# Altium PCB AMC_Single_Panel.PcbDoc (part 4 of 5)
Units mm, origin at the board's own origin, x right, y up, seen from the top; angles counter-clockwise.
Board outline 67.1 x 200.1 mm, 4 copper layers (TOP, GND, PWR, BTM), stack 1.618 mm thick; 416 components, 275 nets, 1519 pads, 733 vias.
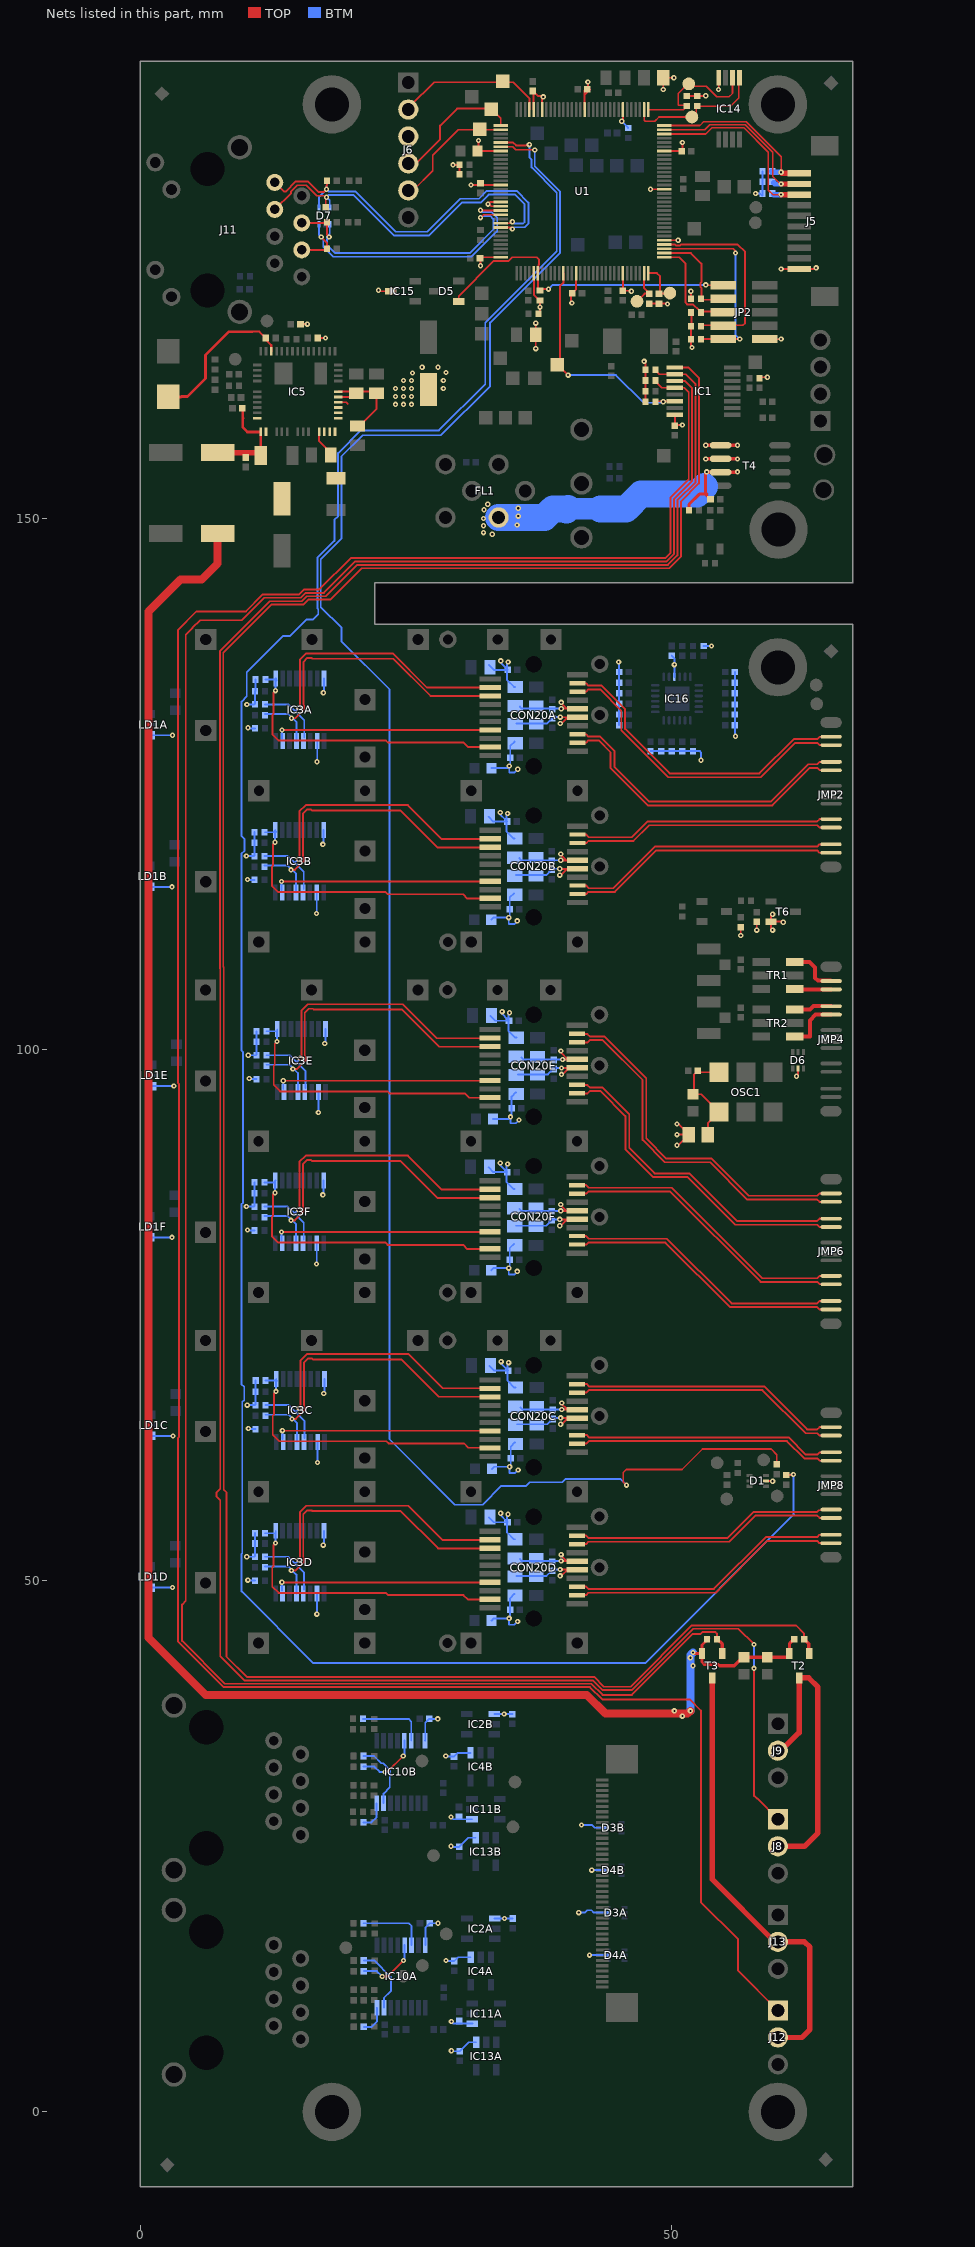
[diagram p6: the nets of this part, all layers, seen from the top]

## Via types
v1: diameter 0.5, hole 0.2, TOP to BTM, tented both sides, 677 vias
v2: diameter 0.5, hole 0.2, TOP to BTM, 44 vias
v3: diameter 0.5, hole 0.3, TOP to BTM, tented both sides, 5 vias
v4: diameter 0.66, hole 0.33, TOP to BTM, tented both sides, 4 vias
v5: diameter 0.51, hole 0.3, TOP to BTM, 3 vias

## Nets (pads, with @x,y where several pads share a name; then routed paths per layer and width w, separated by ;. In a path a pad name is that pad's centre, name@x,y a point inside that pad or via, vN(x,y) a via of type N, cw(c..) or ccw(c..) an arc to the next point about the centre after c; other vN are vias at no path point) (continued)
P3V3: C6A.2 C6B.2 C7A.2 C7B.2 C8A.2 C8B.2 C9A.2 C9B.2 C10.2 C11.1 C17.2 C25.2 C27.2 C28.2 C29.2 C42.2 C43.1 C44.2 C47A.1 C47B.1 C47C.1 C47D.1 C47E.1 C47F.1 C48A.2 C48B.2 C48C.2 C48D.2 C48E.2 C48F.2 C49A.1 C49B.1 C49C.1 C49D.1 C49E.1 C49F.1 C50A.1 C50B.1 C50C.1 C50D.1 C50E.1 C50F.1 C53.2 C54.2 C55.2 C56.2 C57.2 C67A.2 C67B.2 C69.2 C113.2 C175.2 D1.5 D3A.5 D3B.5 D4A.5 D4B.5 D6.5 FB2.1 FB4.1 FB5A.1 FB5B.1 FB5C.1 FB5D.1 FB5E.1 FB5F.1 FB6A.1 FB6B.1 FB6C.1 FB6D.1 FB6E.1 FB6F.1 IC1.8 IC2A.1 IC2B.1 IC3A.2 IC3A.16 IC3B.2 IC3B.16 IC3C.2 IC3C.16 IC3D.2 IC3D.16 IC3E.2 IC3E.16 IC3F.2 IC3F.16 IC4A.1 IC4B.1 IC5.12 IC5.13 IC5.14 IC5.15 IC5.16 IC5.17 IC5.18 IC5.19 IC5.20 IC5.21 IC10A.16 IC10B.16 IC11A.1 IC11B.1 IC13A.1 IC13B.1 IC14.8 IC15.3 IC16.21 J5.1 J6.3 JP2.1 LD1A.2 LD1B.2 LD1C.2 LD1D.2 LD1E.2 LD1F.2 R32.2 R35.2 R46.2 R47.2 R50.2 R51A.2 R51B.2 R51C.2 R51D.2 R51E.2 R51F.2 R53.2 R58.2 R59.2 R60.2 R63.1 R64.1 R65.1 R66.1 R67.1 R68.1 R69.1 R70.1 R72.1 R89A.2 R89B.2 R89C.2 R89D.2 R89E.2 R89F.2 R90A.2 R90B.2 R90C.2 R90D.2 R90E.2 R90F.2 R91A.2 R91B.2 R91C.2 R91D.2 R91E.2 R91F.2 R147.2 R148.2 R152.1 R153.1 R154.1 R184.2 R185.2 R186.2 R187.2 R188.2 R189.2 R190.2 R191.2 R196.1 R197.2 R198.2 R199.2 R200.2 R201.2 R202.2 R203.2 R204.2 R205.2 T6.2 U1.7 U1.16 U1.26 U1.28 U1.39 U1.47 U1.51 U1.52 U1.64 U1.69 U1.79 U1.90 U1.101 U1.113 U1.122 | length 266.1
  TOP w0.178: C17.2@15.05,168.3 v1(15.7,168.3) ; R35.2@16.67,167 v1(17.4,167) ; IC5.12@16.8,158.15 16.8,157.3 17.9,156.2 C10.2@18.1,156.2 ; IC5.19@18.6,160.95 19.35,160.95 19.5,160.8 ; IC5.20@18.6,161.45 19.95,161.45 C27.2@20,161.5 ; IC5.21@18.6,161.95 21.75,161.95 22.2,161.5 22.2,160.3 C56.2@20.9,159 ; v1(22.4,171.5) 22.5,171.4 IC15.3@23.55,171.4 ; v1(29.4,183.3) R59.2@30.03,183.3 ; R60.2@30.03,182.4 R59.2@30.03,183.3 ; R59.2@30.03,183.33 R59.2@30.03,183.3 ; v1(31.1,181.4) U1.47@33.9,181.4 ; v1(31.8,185.6) 31.8,184.6 U1.39@33.9,184.6 ; v1(32,173.8) 32,174.4 32.2,174.6 U1.64@33.9,174.6 ; v1(32.7,179.6) 32.9,179.8 U1.51@33.9,179.8 ; v1@32.8,179.6 33,179.4 U1.52@33.9,179.4 ; U1.69@37,173.1 37,172.992 37.03,172.962 37.03,171.07 R72.1@37.5,170.6 ; U1.28@37,188.5 37,190.2 37.4,189.8 v1@37.9,189.8 ; v1(37.2,166) C43.1@37.2,167.3 v1(37.2,168.4) ; R66.1@37.5,169.2 37.6,169.3 v1(37.6,169.9) R72.1@37.6,170.53 ; U1.26@37.8,188.5 37.8,189.6 v1(37.9,189.7) ; v1(40.6,170.3) 40.5,170.4 40.5,171.1 41,171.6 U1.79@41,173.1 ; U1.16@41.8,188.5 41.8,189.9 ; C25.2@42,190.5 41.8,190.3 41.8,189.9 ; v1(42.1,191.1) 42.1,190.6 42.3,190.4 41.8,189.9 ; v1(45.3,187.4) 45.4,187.5 U1.7@45.4,188.5 ; C55.2@45.4,171.45 46.15,171.45 v1(46.2,171.4) ; U1.90@45.4,173.1 45.4,171.6 C55.2@45.5,171.5 ; v1(47.4,164.8) 47.53,164.67 R147.2@47.53,164 R148.2@47.53,163 R154.1@47.53,162 R152.1@47.53,161 ; R58.2@47.9,170.23 R50.2@48.8,170.23 49.57,170.23 v1(49.6,170.2) ; v1(48,181) U1.113@49.3,181 ; v1(49.2,190.4) FB4.1@49.2,191.5 v1(50.2,191.5) ; U1.101@49.3,176.2 v1(50.6,176.2) ; U1.122@49.3,184.6 50.9,184.6 51,184.7 v1(51,185.4) ; IC1.8@50.3,159.778 50.3,158.9 50.4,158.8 v1(51,158.8) ; v1(50.5,91) 50.6,91 FB2.1@51.6,92 ; v1(50.5,92) FB2.1@51.6,92 ; v1(50.5,93) 50.5,93.1 FB2.1@51.6,92 ; R47.2@51.4,189.77 R46.2@52.4,189.77 53.17,189.77 v1(53.2,189.8) ; v1(51.8,171.4) 51.83,171.37 R70.1@51.83,170.7 ; R69.1@51.83,169.4 51.875,169.355 51.875,168.145 R68.1@51.83,168.1 R67.1@51.83,166.9 51.83,166.17 v1(51.9,166.1) ; v1(54.4,190.4) 54.425,190.425 IC14.8@54.425,191.5 ; v1(56.5,110.75) R53.2@56.5,111.53 ; v1(58,111.25) C29.2@58,112.05 ; R153.1@58.27,163.2 58.37,163.3 v1(59,163.3) ; JP2.1@58.75,166.885 60.385,166.885 60.37,166.9 v1(60.3,166.9) ; D1.5@58.89,59.4 59.35,59.4 59.5,59.25 v1(59.5,59.365) ; v1(59.5,111.25) 59.35,111.4 T6.2@59.35,112.05 ; v1(59.5,112.75) 59.35,112.6 T6.2@59.35,112.05 ; v1(60.3,173.5) J5.1@62,173.5 63.5,173.5 v1(63.6,173.6) ; v1(60.5,112) 60.45,112.05 T6.2@59.35,112.05 ; v1(61.75,97.5) 61.9,97.65 D6.5@61.9,98.21
  BTM w0.178: LD1F.2@0.955,82.326 v1(2.955,82.326) ; LD1B.2@0.955,115.326 v1(2.955,115.326) ; LD1D.2@0.992,49.356 v1(2.992,49.356) ; LD1A.2@1,129.6 v1(3,129.6) ; LD1C.2@1.043,63.63 v1(3.043,63.63) ; LD1E.2@1.13,96.576 v1(3.13,96.576) ; v1(9.955,85.226) 10.655,85.226 10.735,85.306 R91F.2@10.735,86.476 ; v1(9.955,118.226) 10.655,118.226 10.735,118.306 R91B.2@10.735,119.476 ; v1(9.992,52.256) 10.692,52.256 10.772,52.336 R91D.2@10.772,53.506 ; v1(10,132.5) 10.7,132.5 10.78,132.58 R91A.2@10.78,133.75 ; v1(10.043,66.53) 10.743,66.53 10.823,66.61 R91C.2@10.823,67.78 ; v1(10.055,83.026) 10.105,82.976 R90F.2@10.735,82.976 ; v1(10.055,116.026) 10.105,115.976 R90B.2@10.735,115.976 ; v1(10.092,50.056) 10.142,50.006 R90D.2@10.772,50.006 ; v1(10.1,130.3) 10.15,130.25 R90A.2@10.78,130.25 ; v1(10.13,99.476) 10.83,99.476 10.91,99.556 R91E.2@10.91,100.726 ; v1(10.143,64.33) 10.193,64.28 R90C.2@10.823,64.28 ; v1(10.23,97.276) 10.28,97.226 R90E.2@10.91,97.226 ; v1(16.555,79.826) 16.58,79.851 IC3F.2@16.58,81.776 ; v1(16.555,112.826) 16.58,112.851 IC3B.2@16.58,114.776 ; v1(16.592,46.856) 16.617,46.881 IC3D.2@16.617,48.806 ; v1(16.6,127.1) 16.625,127.125 IC3A.2@16.625,129.05 ; v1(16.643,61.13) 16.668,61.155 IC3C.2@16.668,63.08 ; v1(16.73,94.076) 16.755,94.101 IC3E.2@16.755,96.026 ; v1(17.155,86.326) 17.23,86.401 IC3F.16@17.23,87.676 ; v1(17.155,119.326) 17.23,119.401 IC3B.16@17.23,120.676 ; v1(17.192,53.356) 17.267,53.431 IC3D.16@17.267,54.706 ; v1(17.2,133.6) 17.275,133.675 IC3A.16@17.275,134.95 ; v1(17.243,67.63) 17.318,67.705 IC3C.16@17.318,68.98 ; v1(17.33,100.576) 17.405,100.651 IC3E.16@17.405,101.926 ; IC10B.16@26.775,34.95 26.8,34.975 26.8,36.63 C67B.2@27.17,37 v1(27.97,37) ; IC10A.16@26.805,15.7 26.83,15.725 26.83,17.38 C67A.2@27.2,17.75 v1(28,17.75) ; v1(28.72,33.5) 28.77,33.45 C9B.2@29.5,33.45 29.85,33.8 IC4B.1@31.05,33.8 ; v1(28.75,14.25) 28.8,14.2 C9A.2@29.53,14.2 29.88,14.55 IC4A.1@31.08,14.55 ; v1(29.22,25) 29.27,24.95 C7B.2@30,24.95 30.85,25.8 IC13B.1@31.55,25.8 ; v1(29.22,27.75) 29.42,27.55 IC11B.1@31.2,27.55 ; v1(29.25,5.75) 29.3,5.7 C7A.2@30.03,5.7 30.88,6.55 IC13A.1@31.58,6.55 ; v1(29.25,8.5) 29.45,8.3 IC11A.1@31.23,8.3 ; C47F.1@32.755,88.926 33.205,88.476 C50F.1@34.455,88.476 ; C47B.1@32.755,121.926 33.205,121.476 C50B.1@34.455,121.476 ; C47D.1@32.792,55.956 33.242,55.506 C50D.1@34.492,55.506 ; C47A.1@32.8,136.2 33.25,135.75 C50A.1@34.5,135.75 ; C47C.1@32.843,70.23 33.293,69.78 C50C.1@34.543,69.78 ; C47E.1@32.93,103.176 33.38,102.726 C50E.1@34.63,102.726 ; C48F.2@33.005,79.226 33.205,79.426 v1(34.655,79.426) ; C48B.2@33.005,112.226 33.205,112.426 v1(34.655,112.426) ; C48D.2@33.042,46.256 33.242,46.456 v1(34.692,46.456) ; C48A.2@33.05,126.5 34.5,126.5 v1(34.7,126.7) ; C48C.2@33.093,60.53 33.293,60.73 v1(34.743,60.73) ; C48E.2@33.18,93.476 34.63,93.476 v1(34.83,93.676) ; IC2B.1@33.3,37.45 v1(34.22,37.45) C6B.2@35,37.45 ; IC2A.1@33.33,18.2 v1(34.25,18.2) C6A.2@35.03,18.2 ; v1(33.855,89.326) 33.755,89.326 33.755,89.226 C50F.1@34.455,88.526 ; v1(33.855,122.326) 33.755,122.326 33.755,122.226 C50B.1@34.455,121.526 ; v1(33.892,56.356) 33.792,56.356 33.792,56.256 C50D.1@34.492,55.556 ; v1(33.9,136.6) 33.8,136.6 33.8,136.5 C50A.1@34.5,135.8 ; v1(33.943,70.63) 33.843,70.63 33.843,70.53 C50C.1@34.543,69.83 ; v1(34.03,103.576) 33.93,103.576 33.93,103.476 C50E.1@34.63,102.776 ; v1(34.555,89.226) 34.455,89.126 C50F.1@34.455,88.526 ; v1(34.555,122.226) 34.455,122.126 C50B.1@34.455,121.526 ; v1(34.592,56.256) 34.492,56.156 C50D.1@34.492,55.556 ; v1(34.6,136.5) 34.5,136.4 C50A.1@34.5,135.8 ; v1(34.643,70.53) 34.543,70.43 C50C.1@34.543,69.83 ; v1(34.73,103.476) 34.63,103.376 C50E.1@34.63,102.776 ; FB5F.1@35.155,81.726 34.755,81.326 C49F.1@34.755,80.226 34.755,79.526 v1(34.655,79.426) ; FB5B.1@35.155,114.726 34.755,114.326 C49B.1@34.755,113.226 34.755,112.526 v1(34.655,112.426) ; FB5D.1@35.192,48.756 34.792,48.356 C49D.1@34.792,47.256 34.792,46.556 v1(34.692,46.456) ; FB5A.1@35.2,129 34.8,128.6 C49A.1@34.8,127.5 34.8,126.8 v1(34.7,126.7) ; FB6F.1@35.205,86.876 35.105,86.876 34.455,87.526 C50F.1@34.455,88.476 ; FB6B.1@35.205,119.876 35.105,119.876 34.455,120.526 C50B.1@34.455,121.476 ; FB6D.1@35.242,53.906 35.142,53.906 34.492,54.556 C50D.1@34.492,55.506 ; FB5C.1@35.243,63.03 34.843,62.63 C49C.1@34.843,61.53 34.843,60.83 v1(34.743,60.73) ; FB6A.1@35.25,134.15 35.15,134.15 34.5,134.8 C50A.1@34.5,135.75 ; FB6C.1@35.293,68.18 35.193,68.18 34.543,68.83 C50C.1@34.543,69.78 ; FB5E.1@35.33,95.976 34.93,95.576 C49E.1@34.93,94.476 34.93,93.776 v1(34.83,93.676) ; FB6E.1@35.38,101.126 35.28,101.126 34.63,101.776 C50E.1@34.63,102.726 ; v1(35.455,79.126) 35.155,78.826 34.655,78.826 v1(34.655,79.426) ; v1(35.455,112.126) 35.155,111.826 34.655,111.826 v1(34.655,112.426) ; v1(35.492,46.156) 35.192,45.856 34.692,45.856 v1(34.692,46.456) ; v1(35.5,126.4) 35.2,126.1 34.7,126.1 v1(34.7,126.7) ; v1(35.543,60.43) 35.243,60.13 34.743,60.13 v1(34.743,60.73) ; v1(35.63,93.376) 35.33,93.076 34.83,93.076 v1(34.83,93.676) ; v1(41.25,18.75) 41.828,18.75 42.053,18.975 42.447,18.975 42.672,18.75 D3A.5@43.96,18.75 ; v1(41.5,27) 42.5,27 42.75,26.75 D3B.5@43.71,26.75 ; v1(42.25,14.75) D4A.5@43.96,14.75 ; v1(42.475,22.75) D4B.5@43.71,22.75 ; v1(45,136.5) 45.05,136.45 R196.1@45.05,135.55 R205.2@45.05,134.55 R204.2@45.05,133.55 R203.2@45.05,132.55 R202.2@45.05,131.55 R201.2@45.05,130.55 ; v1(45.3,187.4) 45.9,186.8 R32.2@45.9,186.77 ; R200.2@48,128.1 R199.2@49,128.1 R198.2@50,128.1 R191.2@51,128.1 R190.2@52,128.1 52.65,128.1 52.75,128 v1(52.75,127.25) ; C175.2@50,137.1 50.25,136.85 v1(50.25,136.25) IC16.21@50.25,135.1 ; R197.2@53,138 v1(53.75,138) ; R184.2@55.95,135.55 R185.2@55.95,134.55 R186.2@55.95,133.55 R187.2@55.95,132.5 R188.2@55.95,131.55 R189.2@55.95,130.55 55.95,129.55 v1(56,129.5) ; v1(57.9,180.6) 58.3,180.6 58.5,180.4 58.53,180.43 R65.1@58.53,180.6 R64.1@58.53,181.7 R63.1@58.53,182.7 ; C50F.1@34.455,88.476 C50F.1@34.455,88.526 ; C50F.1@34.455,88.476 C50F.1@34.505,88.476 C50F.1@34.455,88.526 ; C50B.1@34.455,121.476 C50B.1@34.455,121.526 ; C50B.1@34.455,121.476 C50B.1@34.505,121.476 C50B.1@34.455,121.526 ; C50D.1@34.492,55.506 C50D.1@34.492,55.556 ; C50D.1@34.492,55.506 C50D.1@34.542,55.506 C50D.1@34.492,55.556 ; C50A.1@34.5,135.75 C50A.1@34.55,135.75 C50A.1@34.5,135.8 ; C50A.1@34.5,135.75 C50A.1@34.5,135.8 ; C50C.1@34.543,69.78 C50C.1@34.543,69.83 ; C50C.1@34.543,69.78 C50C.1@34.593,69.78 C50C.1@34.543,69.83 ; C50E.1@34.63,102.726 C50E.1@34.63,102.776 ; C50E.1@34.63,102.726 C50E.1@34.68,102.726 C50E.1@34.63,102.776
  BTM w0.2: R51F.2@10.73,87.5 10.735,87.495 R91F.2@10.735,86.476 ; R51B.2@10.73,120.475 10.73,119.481 R91B.2@10.735,119.476 ; R51D.2@10.755,54.475 10.755,53.522 R91D.2@10.772,53.506 ; R91A.2@10.78,133.75 10.805,133.775 R51A.2@10.805,134.85 ; R91C.2@10.823,67.78 10.83,67.788 R51C.2@10.83,68.85 ; R51E.2@10.905,101.725 10.905,100.731 R91E.2@10.91,100.726
  other v1: 24,160.75 24.75,160.75 25.5,160.75 24,161.5 24.75,161.5 25.5,161.5 24,162.25 24.75,162.25 25.5,162.25 28.5,162.25 24.75,163 25.5,163 28.5,163 25.6,163.7 28.75,163.75 26.5,164.25 28,164.25
P3V3_CLEAN: C3.2 C4.2 FB2.2 OSC1.1 OSC1.6 | length 10.1
  TOP w0.178: FB2.2@53.4,92 53.4,93.065 OSC1.1@54.46,94.125 52.785,95.8 52.08,95.8 52.08,97.63 C4.2@52.45,98 52.575,97.875 OSC1.6@54.46,97.875
P12V: C12.1 C13.1 C14.1 C30.2 C58.2 C59.2 C60.2 C64.2 C114.2 C115.2 D9.1 FL1.2 IC5.1 IC5.2 IC5.39 IC5.52 R23.2 R109.2 R149.2 R150.2 T2.2 T3.2 T4.1 T4.2 T4.3 | length 239.6
  TOP w0.2: 10.5,167.6 11.18,167.6 R23.2@11.78,167 11.78,166.845 12.3,166.325 IC5.39@12.3,165.75
  TOP w0.254: D9.1@2.6,161.45 3.804,161.45 3.854,161.5 4.4,161.5 6.1,163.2 6.1,165.4 8.3,167.6 10.5,167.6 ; C60.2@9.6,160.2 9.6,159.5 ; 9.65,159.45 9.6,159.5 ; C58.2@11.3,156.6 IC5.1@11.3,158.15 10.05,158.15 9.6,158.6 9.6,159.5
  TOP w0.3: R109.2@51.63,150.8 51.63,151.33 52.6,152.3 53.184,152.3 ; v1(52,43.25) 52.1,43.15 T3.2@52.85,43.15 ; v1@53.2,154.4 53.184,154.384 53.184,152.3 ; v1(53.2,155.6) 53.23,155.63 T4.2@54.6,155.63 56.17,155.63 v1(56.2,155.6) ; v1(53.2,156.9) T4.1@54.6,156.9 v1(56.2,156.9) ; 53.3,152.3 53.184,152.3 ; v1(53.3,154.4) 53.34,154.36 T4.3@54.6,154.36 56.16,154.36 v1(56.2,154.4) ; R150.2@53.5,44.6 52.85,43.95 T3.2@52.85,43.15 ; C30.2@53.65,151.8 53.184,152.266 53.184,152.3 ; C115.2@56.5,42.6 55.9,42 54.5,42 54.4,42.1 53.1,42.1 52.85,42.35 T3.2@52.85,43.15 ; C115.2@56.8,42.8 C114.2@59,42.8 60.8,42.8 61.1,43.1 61.1,44.1 R149.2@61.4,44.4
  TOP w0.508: C14.1@7.25,156.2 10.9,156.2 C58.2@11.1,156
  TOP w0.762: C13.1@7.25,148.6 7.25,145.75 5.75,144.25 3.75,144.25 0.75,141.25 0.75,44.632 6.132,39.25 42,39.25 43.75,37.5 51.5,37.5 v1(51.75,37.75)
  BTM w0.762: v1(51.75,37.75) 51.75,43 v1(52,43.25)
  BTM w2.032: 40.233,150.933 43.267,150.933 43.3,150.9
  BTM w2.54: FL1.2@33.7,150.1 38,150.1 38.8,150.9 40,150.9 40.1,150.8 40.233,150.933 ; 43.3,150.9 45.71,150.9 47.11,152.3 52.4,152.3 53.1,153
  other v1: 51,37.25 50.25,37.75 52,42 51.75,42.75
  other v2: 33.1,148.525 32.275,148.675 32.275,149.325 35.45,149.4 32.275,150 35.55,150.225 32.325,150.825 35.55,150.975 32.675,151.35
P12V_1: J8.2 J9.2 T2.3 | length 27.7
  TOP w0.3: J9.2@60.2,33.9 J9.2@60.4,33.9
  TOP w0.508: J8.2@59.995,25 62.5,25 63.75,26.25 63.75,40 62.9,40.85 T2.3@62,40.85 62,35.7 J9.2@60.4,34.1
P12V_2: J12.2 J13.2 T3.3 | length 41.7
  TOP w0.178: J13.2@59.7,16.3 J13.2@59.8,16.3
  TOP w0.508: T3.3@53.8,40.85 53.8,21.9 J13.2@59.7,16 ; J12.2@59.995,7 62.25,7 63,7.75 63,15.5 62.5,16 J13.2@59.995,16
PHY_RD_N: D7.3 J11.6 R62.2 U1.53 | length 28.7
  TOP w0.178: J11.6@15.17,175.295 17.425,175.295 R62.2@17.53,175.4 17.53,175.97 v1(17,176.5) ; v1(32,179.022) 32.022,179 U1.53@33.9,179
  BTM w0.178: D7.3@16.8,177.71 16.8,176.7 v1@16.941,176.559 ; v1(17,176.5) 17.197,176.303 17.197,175.603 18.155,174.644 31.147,174.644 33.251,176.749 33.57,177.067 33.57,178.339 33.053,178.856 32.166,178.856 v1(32,179.022)
PHY_RD_P: D7.1 J11.4 R61.2 U1.54 | length 27.6
  TOP w0.178: J11.4@15.17,177.835 17.465,177.835 R61.2@17.53,177.9 17.53,176.72 v1(17.75,176.5) ; v1(32,178.334) 32.05,178.334 32.316,178.6 U1.54@33.9,178.6
  BTM w0.178: v1@17.522,176.5 v1(17.75,176.5) 17.553,176.302 17.553,175.75 18.303,175 31,175 33.214,177.214 33.214,178.192 32.906,178.5 32.166,178.5 v1(32,178.334) ; v1@17.522,176.5 17.522,176.522 17.8,176.8 D7.1@17.8,177.71
PHY_TD_N: D7.6 J11.3 R55.1 U1.56 | length 34.5
  TOP w0.178: J11.3@12.63,179.105 14.161,180.636 14.161,180.793 14.752,181.384 15.588,181.384 16.577,180.394 17.286,180.394 ; R55.1@17.43,179.3 v1@17.43,180.25 ; U1.56@33.9,177.8 34.856,177.8 v1(35,177.944)
  BTM w0.178: D7.6@17.8,179.29 17.8,179.95 v1(17.5,180.25) 17.697,180.447 20.053,180.447 23.856,176.644 27.147,176.644 30.253,179.75 32.003,179.75 32.753,180.5 35.247,180.5 36.144,179.603 36.144,177.897 36.025,177.778 35.166,177.778 v1(35,177.944)
PHY_TD_P: D7.4 J11.1 R56.1 U1.57 | length 36.5
  TOP w0.178: J11.1@12.63,181.645 13.5,180.775 13.64,180.775 14.605,181.739 15.735,181.739 16.725,180.75 17.25,180.75 v1(17.5,181) ; v1@17.501,181.001 17.501,181.373 17.53,181.401 R56.1@17.53,181.8 ; U1.57@33.9,177.4 34.856,177.4 v1(35,177.256)
  BTM w0.178: D7.4@16.8,179.29 16.8,180.3 v1(17.5,181) 17.697,180.803 20.2,180.803 24.003,177 27,177 30.106,180.106 31.856,180.106 32.606,180.856 35.394,180.856 36.5,179.75 36.5,177.75 36.172,177.422 35.166,177.422 v1(35,177.256)
PWM1: IC1.1 R149.1 T2.1 | length 222
  TOP w0.178: IC1.1@50.3,164.223 51.577,164.223 52.56,163.24 52.56,153.302 50.86,151.602 50.86,146.402 49.778,145.32 20.82,145.32 17.865,142.365 15.788,142.365 15.323,141.9 12.305,141.9 7.775,137.37 7.775,107.803 7.82,107.758 7.82,58.576 8.084,58.312 8.084,42.857 10,40.941 42.7,40.941 43.616,40.025 46.12,40.025 51.895,45.8 61.7,45.8 62.47,45.03 R149.1@62.47,44.5
  TOP w0.3: R149.1@62.47,44.5 62.9,44.07 T2.1@62.9,43.2
PWM2: IC1.3 R150.1 T3.1 | length 219.3
  TOP w0.178: IC1.3@50.3,162.953 51.247,162.953 51.92,162.28 51.92,153.567 50.22,151.867 50.22,146.667 49.513,145.96 20.21,145.96 17.255,143.005 15.523,143.005 15.058,142.54 11.648,142.54 9.538,140.43 5.594,140.43 4.88,139.716 4.88,139.677 4.25,139.047 4.25,48.104 3.896,47.75 3.896,44.34 7.935,40.301 42.435,40.301 43.486,39.25 46.25,39.25 52,45 52.735,45 52.895,45.16 54.11,45.16 54.27,45 R150.1@54.27,44.5
  TOP w0.3: R150.1@54.3,44.5 54.75,44.05 T3.1@54.75,43.15
QSFP_RX1_N: CON20E.12 JMP6.10 | length 31
  TOP w0.178: CON20E.12@41.23,95.871 42.069,95.871 42.291,96.093 43.301,96.093 45.644,93.75 45.644,90.603 48.247,88 51.497,88 55.98,83.517 63.705,83.517 63.922,83.3 JMP6.10@65.011,83.3
QSFP_RX1_P: CON20E.13 JMP6.11 | length 31
  TOP w0.178: CON20E.13@41.23,96.671 42.069,96.671 42.291,96.449 43.448,96.449 46,93.897 46,90.75 48.394,88.356 51.644,88.356 56.127,83.873 63.705,83.873 63.922,84.09 JMP6.11@65.011,84.09
QSFP_RX2_N: CON20F.12 JMP6.2 | length 26.6
  TOP w0.178: CON20F.12@41.055,81.621 CON20F.12@41.1,81.621 ; CON20F.12@41.1,81.645 41.939,81.645 42.137,81.843 49.404,81.843 55.49,75.757 63.683,75.757 63.9,75.54 JMP6.2@64.989,75.54
QSFP_RX2_P: CON20F.13 JMP6.3 | length 26.6
  TOP w0.178: CON20F.13@41.055,82.421 CON20F.13@41.1,82.421 ; CON20F.13@41.1,82.445 41.939,82.445 42.185,82.199 49.551,82.199 55.637,76.113 63.683,76.113 63.9,76.33 JMP6.3@64.989,76.33
QSFP_RX3_N: CON20C.12 JMP8.10 | length 24.7
  TOP w0.178: CON20C.12@41.143,62.925 41.981,62.925 42.204,63.148 52.803,63.148 60.85,63.148 62.48,61.517 63.705,61.517 63.922,61.3 JMP8.10@65.011,61.3
QSFP_RX3_P: CON20C.13 JMP8.11 | length 24.7
  TOP w0.178: CON20C.13@41.143,63.725 41.981,63.725 42.204,63.503 60.997,63.503 62.627,61.873 63.705,61.873 63.922,62.09 JMP8.11@65.011,62.09
QSFP_RX4_N: CON20D.12 JMP8.2 | length 26.1
  TOP w0.178: CON20D.12@41.092,48.651 41.931,48.651 42.153,48.873 54.126,48.873 59.01,53.757 63.683,53.757 63.9,53.54 JMP8.2@64.989,53.54
QSFP_RX4_P: CON20D.13 JMP8.3 | length 26.1
  TOP w0.178: CON20D.13@41.092,49.451 41.931,49.451 42.153,49.228 53.978,49.228 58.863,54.113 63.683,54.113 63.9,54.33 JMP8.3@64.989,54.33
QSFP_TX1_N: CON20E.19 JMP6.13 | length 33.5
  TOP w0.178: CON20E.19@41.23,101.471 42.069,101.471 42.291,101.249 43.647,101.249 47.606,97.29 47.606,91.644 49.5,89.75 53.753,89.75 57.26,86.243 63.705,86.243 63.922,86.46 JMP6.13@65.011,86.46
QSFP_TX1_P: CON20E.18 JMP6.12 | length 33.5
  TOP w0.178: CON20E.18@41.23,100.671 42.069,100.671 42.291,100.893 43.5,100.893 47.25,97.143 47.25,91.497 49.353,89.394 53.606,89.394 57.113,85.887 63.705,85.887 63.922,85.67 JMP6.12@65.011,85.67
QSFP_TX2_N: CON20F.19 JMP6.5 | length 27.7
  TOP w0.178: CON20F.19@41.055,87.221 CON20F.19@41.1,87.221 ; CON20F.19@41.1,87.245 41.939,87.245 42.185,86.999 50.004,86.999 58.52,78.483 63.705,78.483 63.922,78.7 JMP6.5@65.011,78.7
QSFP_TX2_P: CON20F.18 JMP6.4 | length 27.7
  TOP w0.178: CON20F.18@41.055,86.421 CON20F.18@41.1,86.421 ; CON20F.18@41.1,86.445 41.939,86.445 42.137,86.643 49.857,86.643 58.373,78.127 63.705,78.127 63.922,77.91 JMP6.4@65.011,77.91
QSFP_TX3_N: CON20C.19 JMP8.13 | length 25.7
  TOP w0.178: CON20C.19@41.143,68.525 41.981,68.525 42.204,68.303 58.69,68.303 62.75,64.243 63.705,64.243 63.922,64.46 JMP8.13@65.011,64.46
QSFP_TX3_P: CON20C.18 JMP8.12 | length 25.7
  TOP w0.178: CON20C.18@41.143,67.725 41.981,67.725 42.204,67.948 58.542,67.948 62.603,63.887 63.705,63.887 63.922,63.67 JMP8.12@65.011,63.67
QSFP_TX4_N: CON20D.19 JMP8.5 | length 25.1
  TOP w0.178: CON20D.19@41.092,54.251 41.931,54.251 42.153,54.028 55.276,54.028 57.73,56.483 63.705,56.483 63.857,56.635 64.285,56.635 64.35,56.7 JMP8.5@65.011,56.7
QSFP_TX4_P: CON20D.18 JMP8.4 | length 25.1
  TOP w0.178: CON20D.18@41.092,53.451 41.931,53.451 42.153,53.673 55.423,53.673 57.877,56.127 63.705,56.127 63.922,55.91 JMP8.4@65.011,55.91
RS0A: CON20A.7 IC3A.7 | length 20.4
  TOP w0.178: v1(13.3,130.1) 13.305,130.095 CON20A.7@32.9,130.095
  BTM w0.178: IC3A.7@13.3,129.3 v1(13.3,130.1)
RS0B: CON20B.7 IC3B.7 | length 20.4
  TOP w0.178: v1(13.255,115.826) 13.26,115.821 CON20B.7@32.855,115.821
  BTM w0.178: IC3B.7@13.255,115.026 v1(13.255,115.826)
RS0C: CON20C.7 IC3C.7 | length 20.4
  TOP w0.178: v1(13.343,64.13) 13.348,64.125 CON20C.7@32.943,64.125
  BTM w0.178: IC3C.7@13.343,63.33 v1(13.343,64.13)
RS0D: CON20D.7 IC3D.7 | length 20.4
  TOP w0.178: v1(13.292,49.856) 13.297,49.851 CON20D.7@32.892,49.851
  BTM w0.178: IC3D.7@13.292,49.056 v1(13.292,49.856)
RS0E: CON20E.7 IC3E.7 | length 20.4
  TOP w0.178: v1(13.43,97.076) 13.435,97.071 CON20E.7@33.03,97.071
  BTM w0.178: IC3E.7@13.43,96.276 v1(13.43,97.076)
RS0F: CON20F.7 IC3F.7 | length 20.4
  TOP w0.178: v1(13.255,82.826) 13.26,82.821 CON20F.7@32.855,82.821
  BTM w0.178: IC3F.7@13.255,82.026 v1(13.255,82.826)
RS1_CTSA: IC10A.8 R21A.2 | length 2.8
  BTM w0.178: R21A.2@21,8 21.75,8 22.25,8.5 22.25,9.795 IC10A.8@22.255,9.8
RS1_CTSB: IC10B.8 R21B.2 | length 2.8
  BTM w0.178: R21B.2@20.97,27.25 21.72,27.25 22.22,27.75 22.22,29.045 IC10B.8@22.225,29.05
RS1_RTSA: IC10A.14 R16A.2 | length 6.4
  BTM w0.178: R16A.2@20.97,17.75 25.25,17.75 25.505,17.495 IC10A.14@25.505,15.7
RS1_RTSB: IC10B.14 R16B.2 | length 6.4
  BTM w0.178: R16B.2@20.94,37 25.22,37 25.475,36.745 IC10B.14@25.475,34.95
RS1_RXA: IC10A.13 R20A.2 | length 6.1
  TOP w0.178: v1(22.75,12.75) 23.25,12.75 v1(24.75,14.25)
  BTM w0.178: R20A.2@21,13.25 22.25,13.25 v1(22.75,12.75) ; v1(24.75,14.25) 24.855,14.355 IC10A.13@24.855,15.7
RS1_RXB: IC10B.13 R20B.2 | length 6.1
  TOP w0.178: v1(23,32) 23.22,32 v1(24.72,33.5)
  BTM w0.178: R20B.2@20.97,32.5 22,32.5 22.5,32 v1(23,32) ; v1(24.72,33.5) 24.825,33.605 IC10B.13@24.825,34.95
RS1_TXA: IC10A.7 R17A.2 | length 6.4
  BTM w0.178: R17A.2@21,14.25 22,14.25 23.559,12.691 23.559,11.371 22.905,10.718 IC10A.7@22.905,9.8
RS1_TXB: IC10B.7 R17B.2 | length 6.4
  BTM w0.178: R17B.2@20.97,33.5 21.97,33.5 22.65,32.82 22.852,32.82 23.475,32.197 23.475,31.803 23.454,31.782 23.454,30.546 22.875,29.968 IC10B.7@22.875,29.05
RS1RA: CON20A.9 IC3A.9 R51A.1 | length 27.3